# Altium PCB MS-002.21T003台车控制板PCB图 V1.0.PcbDoc (part 2 of 2)
Units mil, origin at the board's own origin, x right, y up, seen from the top; angles counter-clockwise.
Board outline 7863.99 x 3926.98 mil, 2 copper layers (Top Layer, Bottom Layer); 138 components, 110 nets, 449 pads, 595 vias.
Unrouted connection lines stored in the file: 44.
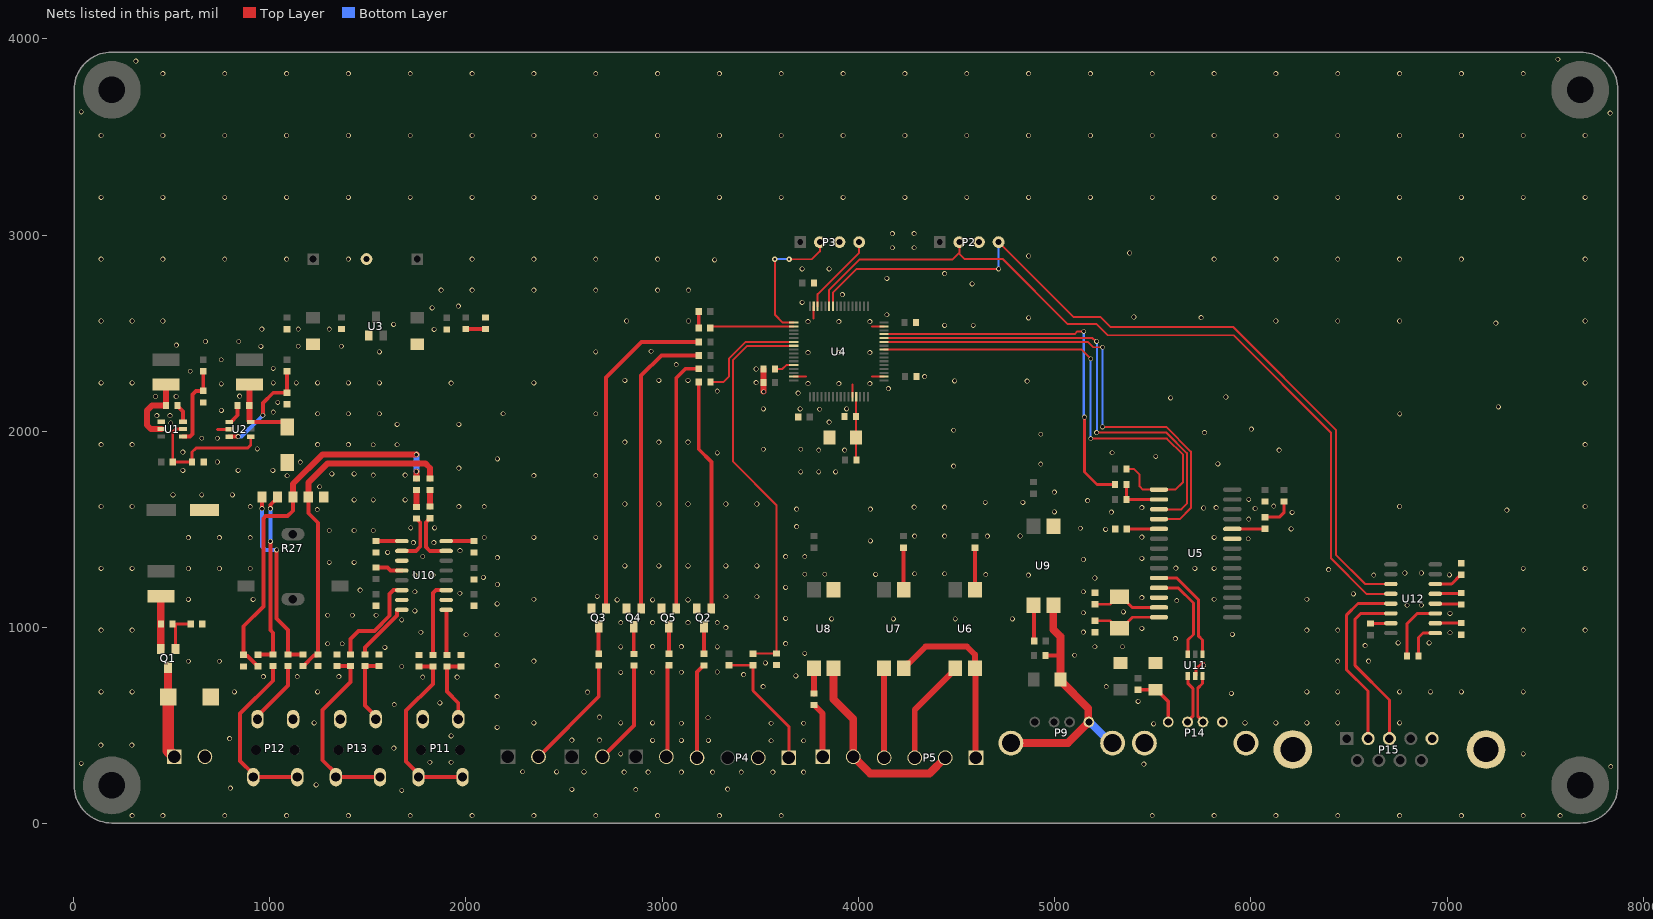
[diagram p2: the nets of this part, all layers, seen from the top]

## Via types
v1: diameter 25, hole 18, Top Layer to Bottom Layer, tented both sides, 591 vias
v2: diameter 39.37/39.37 (per signal layer), hole 0, Top Layer to Bottom Layer, 2 vias
v3: diameter 28, hole 12, Top Layer to Bottom Layer, tented both sides, 2 vias

## Nets (pads, with @x,y where several pads share a name; then routed paths per layer and width w, separated by ;. In a path a pad name is that pad's centre, name@x,y a point inside that pad or via, vN(x,y) a via of type N, cw(c..) or ccw(c..) an arc to the next point about the centre after c; other vN are vias at no path point) (continued)
GND: C2.2 C3.2 C4.1 C6.2 C7.1 C8.1 C9.1 C10.1 C11.1 C12.1 C13.1 C14.2 C15.1 C16.2 C17.2 C18.2 C19.2 C21.1 C24.2 C25.1 C26.2 C27.2 C30.2 C32.1 C33.1 C34.1 C36.1 C37.1 C38.1 C39.1 D1.A D2.A D3.2 P1.2 P2.3 P3.3 P4.2 P11.3 P12.1 P13.3 P14.0 P14.4 P15.5 P15.10 pad.2 Q2.2 Q3.2 Q4.2 Q5.2 R4.1 R5.1 R6.1 R8.1 R11.1 R26.2 R27.1 R32.2 R34.1 R37.1 U1.1 U2.2 U3.1 U4.12 U4.18 U4.31 U4.47 U4.63 U5.12 U5.23 U8.3 U9.3 U10.2 U10.11 U10.15 U11.2 U12.15 | length 681.3
  Top Layer w10: U4.63@3670.21,2278.55 3732.67,2278.55 ; 3772.58,2574.36 U4.47@3772.58,2636.82 ; U4.12@3969.43,2176.19 3969.43,2238.64 ; 4068.38,2278.55 U4.18@4130.84,2278.55 ; 4068.38,2534.45 U4.31@4130.84,2534.45
  Top Layer w15: 735.17,2010.6 U2.2@794.7,2010.6 ; U11.2@5715.64,753.99 5718.97,757.32 5718.97,788.76 5747.41,817.2 v1@5759.33,817.2 ; C34.1@6608.16,1020.53 6609.18,1021.54 6711.52,1021.54 U12.15@6712.53,1022.55
  Top Layer w30: v1(3516.89,2201.7) R11.1@3516.89,2317.68
  other v1: 300.16,42.59 457.64,42.59 772.6,42.59 1087.56,42.59 1402.52,42.59 1717.48,42.59 2032.44,42.59 2347.4,42.59 2662.36,42.59 2977.32,42.59 3292.28,42.59 3607.24,42.59 5497.01,42.59 5811.97,42.59 6126.93,42.59 6441.89,42.59 6756.85,42.59 7071.81,42.59 7386.77,42.59 7574.9,42.59 1674.05,171.26 2866.13,174.7 2540.46,175.91 3334.1,177.83 801.4,182.81 1237.99,199.68 2462.96,265.24 2602.39,265.24 2806.39,264.44 2929.02,264.44 3098.57,264.44 3257.85,264.44 3403.61,264.44 3564.53,264.44 3720.98,264.44 2289.84,266.04 7832.38,292.78 5454.08,304.82 41.64,308.54 1817.15,314.75 1925.28,314.75 2789.55,357.21 7386.77,357.55 1634.35,386.79 141.64,401.81 299.12,401.81 3555.59,424.04 3720.98,424.04 2951.44,425.92 3098.57,425.92 3236.09,425.92 2540.46,427.62 2681.39,427.62 796.74,434.5 1925.44,449.28 2159.48,491.71 5503.52,509.72 3098.57,513.27 3555.59,513.27 3720.98,513.27 2347.4,515.03 2789.55,514.63 2951.44,514.63 5969.45,515.03 6126.93,515.03 6284.41,515.03 6441.89,515.03 6756.85,515.03 1227.47,515.41 3234.12,541.06 2681.39,544.6 1635.84,608.07 1868.75,617.15 5424.99,624.62 2159.48,649.19 5899.98,665.04 2620.18,671.97 142.68,672.51 300.16,672.51 821.39,672.51 1245.04,672.51 6284.41,672.51 6441.89,672.51 6756.85,672.51 6914.33,672.51 7071.81,672.51 7386.77,672.51 3514.41,699.9 5262.9,699.64 1780.91,748.35 1956.11,748.35 969.03,750.94 1141.93,750.94 1353.43,750.57 3681.75,754.55 3415.45,761.06 2789.55,772.09 2951.44,772.95 3098.57,772.95 3281.39,774.3 1674.05,802.37 2159.48,806.67 5759.33,807.76 3526.7,820.25 587.47,828.96 744.95,828.96 2347.4,829.99 6441.89,829.99 6599.37,829.99 5101.14,859.6 3727.01,869.25 1588.43,899.89 2789.55,901.86 3281.39,902.52 5205.22,902.95 5345.4,902.95 2951.44,903.44 3098.57,903.44 6581.44,908.65 1296.44,918.23 1371.15,918.23 3628.93,918.91 6749.05,922.34 6907.29,922.34 5614.79,944.6 2002,964.15 2159.48,964.15 5904.83,965.77 7013.67,974.1 1771.7,976.53 5146.68,977.62 142.68,987.47 300.16,987.47 6284.41,987.47 6441.89,987.47 7386.77,987.47 7701.73,987.47 5444.65,996.82 3325.32,1000.1 2789.55,1025.59 2951.44,1025.59 3132.19,1025.59 3281.39,1025.59 1674.05,1039.88 3863.65,1044.78 4178.61,1044.78 4493.57,1044.78 4784.56,1045.26 3628.93,1047.38 1296.44,1063.18 1423.05,1063.18 1543.1,1063.18 7013.67,1072.55 5146.68,1076.11 5349.83,1080.82 1741.41,1085.89 6794.92,1114.45 6867.55,1114.45 2159.48,1121.64 5621.73,1137.76 2770.83,1142.02 2951.44,1142.02 3132.19,1142.02 587.47,1143.92 916.98,1143.92 2347.4,1144.95 5811.97,1144.95 6284.41,1144.95 5444.65,1153.12 3325.32,1157.58 3482.8,1157.58 2669.73,1159.39 6521.79,1172.55 1970.39,1175.49 1741.41,1183.04 5146.68,1183.27 1461.84,1191.14 3628.93,1204.86 2161.55,1220.04 5205.22,1253.12 2089.52,1255.79 1741.41,1267.78 1832.56,1267.78 4866.01,1268.09 6625.44,1267.67 7010.69,1269.33 4087.67,1271.03 4649,1270.82 3727.01,1272.12 3828.89,1272.12 4286.63,1274.54 4438.85,1274.54 6783.74,1278.61 6867.55,1278.61 6395.78,1296.26 587.47,1301.41 744.95,1301.41 902.43,1301.41 142.68,1302.43 300.16,1302.43 5617.34,1303.12 5713.89,1302.43 5811.97,1302.43 7386.77,1302.43 7701.73,1302.43 2810.46,1315.06 2983.75,1315.06 3132.19,1315.06 3325.32,1315.06 3482.8,1315.06 1304.97,1332.77 1431.19,1332.77 5146.68,1347.28 5444.65,1353.12 2161.55,1356.73 3628.93,1362.34 3727.01,1362.34 1781.03,1362.53 1601.63,1383.13 1970.7,1392.48 1732.99,1433.04 1837.54,1433.04 4060.96,1441.81 5985.81,1453.12 587.47,1458.89 744.95,1458.89 902.43,1458.89 2094.11,1459.44 2347.4,1459.91 2662.36,1459.91 5811.97,1459.91 5444.65,1461.29 4286.63,1466.37 4438.85,1466.37 4657.55,1466.37 4824.3,1467.07 1304.97,1495.03 1431.19,1495.03 1529.02,1495.03 5259.37,1500.9 6204.3,1503.55 5130.73,1506.44 1719.89,1508.01 1841.01,1508.01 3685.51,1514.53 5988.79,1553.12 5289.2,1588.37 6209.56,1587.66 4998.48,1589.41 7303.64,1599.01 1243.44,1601.36 3685.51,1603.99 4060.96,1603.99 6021.03,1607.11 5758.66,1609.66 5444.65,1611.29 5822.1,1611.29 4284.23,1613.77 4438.85,1613.77 902.43,1616.37 1964.93,1616.92 2094.11,1616.92 142.68,1617.39 300.16,1617.39 6756.85,1617.39 7701.73,1617.39 6115.92,1618.9 2810.46,1630.02 2983.75,1630.02 3132.19,1630.02 3325.32,1630.02 3482.8,1630.02 4646.49,1638.4 4837.61,1638.4 5167.31,1647.77 1431.19,1651.28 1529.02,1651.28 1691.15,1651.28 5988.79,1653.12 508.89,1676.5 655.18,1676.5 811.78,1676.5 4998.48,1690.9 1255.92,1717.97 1090.05,1773.74 2347.4,1774.87 2662.36,1774.87 1529.02,1777.52 1691.15,1777.52 1317.92,1783.56 1431.19,1783.56 3706.38,1793.56 3797.98,1793.56 3884.32,1793.56 840.75,1800.96 1017.39,1800.96 559.55,1801.73 1964.93,1812.97 4485.43,1823.09 4929.23,1833.36 5831.45,1834.29 1156.83,1843 735.17,1844.06 2160.85,1859.78 5514.81,1872.4 3281.39,1890.55 5292.91,1890.89 559.55,1894.34 3797.98,1904.38 3929.69,1904.38 6142.95,1904.53 3516.15,1909.06 3706.38,1909.06 937.86,1911.12 142.68,1932.36 300.16,1932.36 1245.04,1932.36 1402.52,1932.36 1529.02,1931.88 1649.97,1931.88 7701.73,1932.36 2810.46,1944.98 2983.75,1944.98 3132.19,1944.98 655.18,1964.78 735.17,1964.78 4929.23,1985.41 5763.24,1993.24 4485.43,2005.53 6001.98,2011.64 1649.97,2035.58 1964.93,2035.58 497.17,2042.69 3851.32,2047.2 426.32,2080.09 493.61,2080.26 6757.83,2089.05 1245.04,2089.84 1402.52,2089.84 1560,2089.84 2189.92,2089.84 2662.36,2089.84 1019.52,2098.1 755.01,2106.45 3802.48,2112.63 3516.62,2114.67 3703.5,2114.67 3939.69,2115 7259.82,2124.91 1042.42,2147.8 5590.44,2170.56 5872.37,2175.11 419.62,2177.7 524.95,2177.7 848.56,2179.16 3693.5,2194.49 3281.39,2205.51 4152.53,2217.47 754.63,2242.27 3743.46,2243.76 3900.94,2243.76 4058.42,2243.76 1925.51,2245.48 142.68,2247.32 300.16,2247.32 1019.52,2247.32 1136.48,2247.32 1245.04,2247.32 1402.52,2247.32 1560,2247.32 2347.4,2247.31 7701.73,2247.32 3479.12,2248.86 4859.93,2255.91 4490.66,2257.41 2810.46,2259.94 2983.75,2259.94 3132.19,2259.94 4337.56,2278.55 596.51,2306.19 3479.12,2317.68 1019.52,2320.54 3072.44,2340.39 754.63,2364.8 3743.46,2401.24 3900.94,2401.24 4058.42,2401.24 1560,2404.8 2662.36,2404.8 2944.55,2408.05 956.7,2433.24 1146.93,2433.45 1366.72,2433.45 526.01,2439.34 673.72,2457.78 843.75,2457.78 1839.35,2519.56 961.32,2520.47 1146.93,2520.47 1304.81,2520.47 4439.62,2540.01 4585.23,2540.01 1632.8,2544.84 7247.87,2551.2 3743.46,2558.72 3900.94,2558.72 4058.42,2558.72 142.68,2562.28 300.16,2562.28 457.64,2562.28 2819.84,2562.28 3134.8,2562.28 6126.93,2562.28 6441.89,2562.28 6756.85,2562.28 7701.73,2562.28 4867.55,2578.35 5746.35,2579.09 5403.73,2582.55 4145.22,2594.16 1828.86,2629.28 1962.34,2637.61 3713.83,2656.75 3918.42,2696.85 1874.96,2719.76 2032.44,2719.76 2347.4,2719.76 2662.36,2719.76 2977.32,2719.76 3134.8,2719.76 4579.22,2751.28 4145.22,2779.75 4439.62,2803.82 3713.83,2827.6 3851.32,2827.6 3268.13,2873.74 142.68,2877.24 457.64,2877.24 772.6,2877.24 1087.56,2877.24 1402.52,2877.24 2032.44,2877.24 2347.4,2877.24 2662.36,2877.24 2977.32,2877.24 5811.97,2877.24 6126.93,2877.24 6441.89,2877.24 6756.85,2877.24 7071.81,2877.24 7701.73,2877.24 4867.55,2893.31 5381.81,2908.64 4173.12,2935.17 4284,2935.17 4173.12,3007.75 4284,3007.75 142.68,3192.2 457.64,3192.2 772.6,3192.2 1087.56,3192.2 1402.52,3192.2 1717.48,3192.2 2032.44,3192.2 2347.4,3192.2 2662.36,3192.2 2977.32,3192.2 3292.28,3192.2 3607.24,3192.2 3922.2,3192.2 4237.16,3192.2 4552.12,3192.2 4867.09,3192.2 5182.05,3192.2 5497.01,3192.2 5811.97,3192.2 6126.93,3192.2 6441.89,3192.2 6756.85,3192.2 7071.81,3192.2 7386.77,3192.2 7701.73,3192.2 142.68,3507.16 457.64,3507.16 772.6,3507.16 1087.56,3507.16 1402.52,3507.16 1717.48,3507.16 2032.44,3507.16 2347.4,3507.16 2662.36,3507.16 2977.32,3507.16 3292.28,3507.16 3607.24,3507.16 3922.2,3507.16 4237.16,3507.16 4552.12,3507.16 4867.09,3507.16 5182.05,3507.16 5497.01,3507.16 5811.97,3507.16 6126.93,3507.16 6441.89,3507.16 6756.85,3507.16 7071.81,3507.16 7386.77,3507.16 7701.73,3507.16 7829.27,3621.37 41.64,3627.29 457.64,3822.12 772.6,3822.12 1087.56,3822.12 1402.52,3822.12 1717.48,3822.12 2032.44,3822.12 2347.4,3822.12 2662.36,3822.12 2977.32,3822.12 3292.28,3822.12 3607.24,3822.12 3922.2,3822.12 4237.16,3822.12 4552.12,3822.12 4867.09,3822.12 5182.05,3822.12 5497.01,3822.12 5811.97,3822.12 6126.93,3822.12 6441.89,3822.12 6756.85,3822.12 7071.81,3822.12 7386.77,3822.12 319.84,3885.65 7563.46,3895.37
GND_USB: C22.2 C23.1 P9.0 P9.4 U9.2 | length 1353.7
  Top Layer w20: C23.1@4953.45,857.61 5029.38,857.61
  Top Layer w40: P9.0@4777.41,412.53 5067.21,412.53 P9.4@5174.21,519.53 ; U9.2@4993.05,1114.86 4993.05,990.57 5029.38,954.24 5029.38,857.61 C22.2@5029.38,735.91 5029.38,730.48 5171.32,588.54 P9.4@5171.32,526.51 ; P9.0@5285.3,412.53 P9.0@5294.81,412.53
  Bottom Layer w40: P9.4@5174.21,519.53 5178.3,519.53 5285.3,412.53 P9.0@5294.81,412.53
INT: R42.2 U4.25 U5.1 | length 2504.1
  Top Layer w10: U4.25@4130.84,2416.34 5137.24,2416.34 v1(5183.58,2370) ; v1(5183.58,1963.24) 5571.4,1963.24 5653.89,1880.75 5653.89,1742.12 5614.88,1703.12 U5.1@5531.29,1703.12 5449.31,1703.12 5432.99,1719.44 5432.99,1778.28 5402.31,1808.96 R42.2@5366.01,1808.96
  Bottom Layer w10: v1(5183.58,1963.24) v1(5183.58,2370)
KEY-UR_PWR: C19.1 R15.1 U4.55 | length 2045.6
  Top Layer w10: 3434.64,2435.71 3360.22,2361.29 3360.22,1847.45 3582.78,1624.88 C19.1@3582.78,869.25 3464.46,869.25 R15.1@3462.89,867.68 ; 3434.64,2436.03 U4.55@3670.21,2436.03
LED-UR_PWR: R38.1 U4.54 | length 562
  Top Layer w10: R38.1@3246.1,2251.33 3312.22,2251.33 3341.33,2280.44 3341.33,2371.31 3425.73,2455.71 U4.54@3670.21,2455.71
NetC1_1: C1.1 U1.6 | length 93.3
  Top Layer w20: C1.1@531.99,2131.12 531.99,2129.15 559.55,2101.59 U1.6@559.55,2049.26
NetC1_2: C1.2 L2.1 U1.2 | length 370.9
  Top Layer w30: U1.2@449.31,2011.86 396,2011.86 375.72,2032.14 375.72,2105.54 401.29,2131.12 C1.2@472.99,2131.12 L2.1@472.99,2238.81
NetC5_1: C5.1 U2.1 | length 106.5
  Top Layer w20: U2.1@794.7,2048.01 803.56,2048.01 837.85,2082.3 C5.1@837.85,2131.4
NetC5_2: C5.2 D2.K L3.1 U2.6 | length 383
  Top Layer w20: U2.6@904.93,2048.01 1065.6,2048.01 1090.05,2023.56 D2.K@1090.05,2021.29
  Top Layer w30: U2.6@899.14,2053.29 L3.1@899.14,2238.81
NetC14_1: C14.1 C15.2 R10.2 U4.13 | length 322.6
  Top Layer w10: U4.13@3989.11,2176.19 3989.11,1855.92 R10.2@3990.75,1854.28
NetC18_1: C18.1 P14.1 R44.1 | length 283
  Top Layer w20: R44.1@5424.99,683.67 5519.33,683.67 5578.39,624.62 P14.1@5578.39,519.53
NetC20_2: C20.2 R43.2 U5.2 | length 240.8
  Top Layer w15: R43.2@5366.01,1728.93 5366.29,1728.65 5366.29,1653.39 C20.2@5366.57,1653.12 U5.2@5531.29,1653.12
NetC21_2: C21.2 U5.14 Y1.2 | length 365.4
  Top Layer w15: C21.2@5205.22,1035.36 5281.78,1035.36 5320.32,996.82 Y1.2@5330.16,996.82 5340,996.82 5396.3,1053.12 U5.14@5531.29,1053.12
NetC27_1: C27.1 U10.8 | length 142.9
  Top Layer w20: U10.8@1900.8,1440.96 U10.8@1900.62,1441.14 1900.8,1441.31 2043,1441.31 C27.1@2043.17,1441.48
NetC28_1: C28.1 R27.2 R34.2 R35.1 | length 1719.8
  Top Layer w20: R35.1@1170.84,804.69 1172.81,804.69 1225.74,857.62 1241.09,857.62 R34.2@1246.84,863.37 1246.84,1534.55 1198.33,1583.06 R27.2@1198.33,1665.41
  Top Layer w30: R27.2@1198.33,1665.41 1198.33,1738.63 1296.81,1837.12 1794.17,1837.12 1818.31,1812.97 C28.1@1818.31,1759.65
NetC28_2: C28.2 R29.1 | length 83.8
  Top Layer w30: R29.1@1818.31,1616.89 C28.2@1818.31,1700.65
NetC29_1: C29.1 R27.4 R36.1 R37.2 | length 1952.6
  Top Layer w20: R36.1@942.85,803.16 940.88,803.16 888.1,855.94 872.6,855.94 R37.2@866.86,861.69 866.86,1006.25 969.29,1108.68 969.29,1556.69 981.01,1568.4 1092.16,1568.4 1119.59,1595.84 R27.4@1119.59,1665.41
  Top Layer w30: R27.4@1119.59,1665.41 1119.59,1731.5 1269.53,1881.45 v1(1748.38,1881.48) ; C29.1@1748.38,1759.65 v1(1748.38,1795.55)
  Bottom Layer w30: v1(1748.38,1795.55) v1(1748.38,1881.48)
NetC29_2: C29.2 R30.1 | length 85.1
  Top Layer w30: R30.1@1748.38,1615.53 C29.2@1748.38,1700.65
NetC30_1: C30.1 U5.13 Y1.1 | length 365
  Top Layer w15: C30.1@5205.22,1119.27 5281.34,1119.27 5320.32,1158.24 Y1.1@5330.16,1158.24 5340,1158.24 5395.12,1103.12 U5.13@5531.29,1103.12
NetC31_1: C31.1 U12.1 | length 188.7
  Top Layer w15: C31.1@6853.92,855.56 6853.92,950.21 6876.26,972.55 U12.1@6938.71,972.55
NetC31_2: C31.2 U12.3 | length 330.3
  Top Layer w15: C31.2@6794.92,855.56 6794.92,1020.53 6846.95,1072.55 U12.3@6938.71,1072.55
NetC32_2: C32.2 U12.6 | length 151.6
  Top Layer w15: U12.6@6938.71,1222.55 7022.18,1222.55 7068.97,1269.33 C32.2@7070.93,1269.33
NetC33_2: C33.2 U12.2 | length 132.4
  Top Layer w15: U12.2@6938.71,1022.55 6938.99,1022.83 7070.66,1022.83 C33.2@7070.93,1023.1
NetC35_1: C35.1 U12.4 | length 134.1
  Top Layer w15: U12.4@6938.71,1122.55 6940.06,1121.2 7067.71,1121.2 C35.1@7070.93,1117.98
NetC35_2: C35.2 U12.5 | length 134.1
  Top Layer w15: U12.5@6938.71,1172.55 6940.06,1173.9 7067.85,1173.9 C35.2@7070.93,1176.98
NetC36_2: C36.2 L4.2 P11.1 | length 369.6
  Top Layer w20: P11.1@1962.01,534.22 1962.01,617.15 1905.05,674.11 L4.2@1905.05,802.08 C36.2@1974.29,802.08 ; C36.2@1968.54,796.34 C36.2@1974.29,802.08 ; C36.2@1975.07,802.08 C36.2@1974.29,802.08
NetC37_2: C37.2 L5.2 P11.2 | length 941.5
  Top Layer w20: C37.2@1761.7,802.37 1761.84,802.23 1832.41,802.23 L5.2@1832.56,802.08 1832.56,714.05 1695.74,577.24 1695.74,318.21 1759.26,254.7 P11.2@1759.26,238.95 P11.2@1983.66,238.95
NetC38_2: C38.2 L6.2 P13.1 | length 363
  Top Layer w20: P13.1@1541.27,534.22 1541.27,549.97 1487.65,603.59 L6.2@1487.65,804.43 1487.74,804.52 1558.08,804.52 C38.2@1558.17,804.61
NetC39_2: C39.2 L7.2 P13.2 | length 947.3
  Top Layer w20: C39.2@1343.43,804.43 1343.48,804.48 1413.85,804.48 1413.85,722.84 1271.32,580.3 1271.32,324.7 1338.52,257.49 P13.2@1338.52,238.95 P13.2@1562.92,238.95
NetD1_K: D1.K P1.1 Q1.3 | length 469.7
  Top Layer w40: Q1.3@483.64,798.69 483.95,798.37 483.95,647.05 D1.K@484.93,646.07
  Top Layer w60: D1.K@484.93,646.07 484.93,372.91 P1.1@515.61,342.23
NetD3_1: D3.1 R9.1 | length 101.1
  Top Layer w20: R9.1@2000.06,2520.8 2000.49,2521.22 2100.36,2521.22 D3.1@2100.79,2521.65
NetD4_1: D4.1 R12.1 | length 84.7
  Top Layer w20: D4.1@3186.98,2526.3 R12.1@3186.98,2610.96
NetD4_2: D4.2 U4.50 | length 427.6
  Top Layer w10: D4.2@3245.98,2526.3 3254.13,2534.45 U4.50@3670.21,2534.45
NetD5_1: D5.1 R33.1 | length 162.2
  Top Layer w15: D5.1@6072.3,1562.99 6144.44,1562.99 6169.11,1587.66 R33.1@6169.11,1642.85
NetD5_2: D5.2 U5.24 | length 167.8
  Top Layer w15: U5.24@5904.83,1503.12 5905.27,1503.55 6071.86,1503.55 D5.2@6072.3,1503.99
NetL1_1: L1.1 Q1.2 R1.2 | length 271
  Top Layer w40: Q1.2@446.64,890.5 446.64,1159.02 L1.1@448.41,1160.79
NetL4_1: L4.1 U10.1 | length 232.6
  Top Layer w20: U10.1@1900.62,1091.14 1901.89,1091.14 1902.84,1090.19 1902.84,863.3 L4.1@1905.05,861.08
NetL5_1: L5.1 U10.3 | length 389.4
  Top Layer w20: L5.1@1832.56,861.08 1832.56,1176.22 1847.47,1191.14 U10.3@1900.62,1191.14
NetL6_1: L6.1 U10.16 | length 318.4
  Top Layer w20: L6.1@1487.65,863.43 1487.65,899.89 1650.72,1062.97 1650.72,1090.19 1651.67,1091.14 U10.16@1674.44,1091.14
NetL7_1: L7.1 U10.14 | length 507.4
  Top Layer w20: L7.1@1413.9,863.53 1413.9,943.33 1453.79,983.21 1534.2,983.21 1611.64,1060.65 1611.64,1170.64 1632.14,1191.14 U10.14@1674.44,1191.14
NetP4_1: P4.1 R14.1 R15.2 | length 669.6
  Top Layer w15: R14.1@3340.56,808.66 R15.2@3462.89,808.68 ; R15.2@3462.89,808.68 3462.89,679.26 3645.91,496.24 P4.1@3645.91,337.23
NetP4_4: P4.4 R16.2 | length 486.4
  Top Layer w20: P4.4@3178.2,337.23 3178.2,774.3 3211.66,807.77 R16.2@3213.63,807.77
NetP5_3: P5.3 U6.3 | length 536
  Top Layer w30: P5.3@4286.97,342.23 4286.97,582.09 4493.57,788.68 U6.3@4493.57,792.62
NetP5_4: P5.4 U7.3 | length 450.4
  Top Layer w30: P5.4@4131.07,342.23 4131.13,342.29 4131.13,792.55 U7.3@4131.2,792.62
NetP6_1: P6.1 R19.2 | length 283.4
  Top Layer w30: R19.2@3773.46,605.96 3775.43,605.96 3818.07,563.32 P6.1@3818.07,342.23
NetP7_2: P7.2 R20.1 | length 592.7
  Top Layer w20: P7.2@2370.71,342.23 2677.54,649.06 R20.1@2677.54,807.83
NetP8_2: P8.2 R21.2 | length 531.1
  Top Layer w20: P8.2@2696.37,342.23 2856.24,502.1 R21.2@2856.24,807.11
NetP10_2: P10.2 R24.2 | length 472.2
  Top Layer w20: P10.2@3022.03,342.23 3028.48,348.68 3028.48,802.94 3034.23,808.69 R24.2@3034.94,808.69
NetP12_2: P12.2 R31.2 | length 887.1
  Top Layer w20: R31.2@1018.85,804.53 1018.85,729.77 851.12,562.05 851.12,321.36 917.79,254.7 P12.2@917.79,238.95 P12.2@1142.19,238.95
NetP12_3: P12.3 R28.2 | length 334.7
  Top Layer w20: P12.3@939.44,534.22 939.44,549.97 1094.84,705.37 R28.2@1094.84,804.53
NetP15_2: P15.2 U12.13 | length 924.9
  Top Layer w15: P15.2@6596.56,435.32 6596.56,676.81 6485.78,787.59 6485.78,1062.83 6545.5,1122.55 U12.13@6712.53,1122.55
NetP15_3: P15.3 U12.14 | length 875.2
  Top Layer w15: P15.3@6705.22,435.32 6705.22,631.53 6530.5,806.25 6530.5,1044.45 6558.6,1072.55 U12.14@6712.53,1072.55
NetQ1_1: Q1.1 R1.1 R4.2 | length 204.6
  Top Layer w15: Q1.1@521.64,890.5 521.64,1016.96 523.34,1018.67 R4.2@599.05,1018.67
NetQ2_1: Q2.1 R38.2 | length 1181.2
  Top Layer w20: R38.2@3187.1,2251.33 3187.1,1908.98 3251.13,1844.94 Q2.1@3251.13,1096.63
NetQ2_3: Q2.3 R16.1 | length 138.3
  Top Layer w20: Q2.3@3213.13,1004.82 3213.38,1004.57 3213.38,867.02 R16.1@3213.63,866.77
NetQ3_1: Q3.1 R39.2 | length 1725.7
  Top Layer w10: R39.2@3187.1,2452.34 R39.2@3187.1,2454.31
  Top Layer w20: Q3.1@2715.04,1096.63 2715.04,2273.39 2895.96,2454.31 R39.2@3187.1,2454.31
NetQ3_3: Q3.3 R20.2 | length 138.2
  Top Layer w20: Q3.3@2677.04,1004.82 2677.29,1004.57 2677.29,867.08 R20.2@2677.54,866.83
NetQ4_1: Q4.1 R40.2 | length 1526
  Top Layer w10: R40.2@3187.1,2384.68 R40.2@3187.1,2386.65
  Top Layer w20: Q4.1@2893.74,1096.63 2893.74,2283.93 2996.46,2386.65 3185.13,2386.65 R40.2@3187.1,2384.68
NetQ4_3: Q4.3 R21.1 | length 138.9
  Top Layer w20: Q4.3@2855.74,1004.82 2855.99,1004.57 2855.99,866.36 R21.1@2856.24,866.11
NetQ5_1: Q5.1 R41.2 | length 1311.3
  Top Layer w10: R41.2@3187.1,2317.02 R41.2@3187.1,2318.99
  Top Layer w20: Q5.1@3072.44,1096.63 3072.44,2271.77 3119.66,2318.99 R41.2@3187.1,2318.99
NetQ5_3: Q5.3 R24.1 | length 137.3
  Top Layer w20: Q5.3@3034.44,1004.82 3034.69,1004.57 3034.69,867.94 R24.1@3034.94,867.69
NetR2_1: R2.1 R5.2 U1.5 U2.4 | length 716.2
  Top Layer w15: U1.5@559.55,2011.86 522.53,2011.86 507.58,1996.9 R2.1@507.58,1844.06 R5.2@606.18,1844.06 606.18,1894.34 626.17,1914.33 888.53,1914.33 904.93,1930.73 U2.4@904.93,1973.2
NetR3_1: R3.1 R6.2 U1.4 | length 417.4
  Top Layer w20: U1.4@559.55,1974.46 596.15,1974.46 607.87,1986.17 607.87,2187.92 626.46,2206.52 R6.2@663.01,2206.52 R3.1@663.01,2306.19
NetR7_1: R7.1 R8.2 U2.3 | length 533.4
  Top Layer w20: U2.3@794.7,1973.2 794.84,1973.35 840.75,1973.35 v1(840.89,1973.49) ; v1(966.55,2082.3) 966.55,2143.83 1019.52,2196.8 R8.2@1090.05,2196.8 R7.1@1090.05,2306.19
  Bottom Layer w20: v1(840.89,1973.49) 857.75,1973.49 v1(966.55,2082.3)
NetR11_2: R11.2 U4.60 | length 102.6
  Top Layer w10: R11.2@3575.89,2317.68 3613.11,2317.68 3633.04,2337.6 U4.60@3670.21,2337.6
NetR13_1: R13.1 U6.1 | length 213.2
  Top Layer w20: U6.1@4593.57,1194.19 R13.1@4593.57,1407.37
NetR17_1: R17.1 U7.1 | length 213.5
  Top Layer w20: R17.1@4230.51,1407.37 4230.51,1194.88 U7.1@4231.2,1194.19
NetR19_1: R19.1 U8.1 | length 127.7
  Top Layer w30: R19.1@3773.46,664.96 U8.1@3773.46,792.61
NetR22_2: R22.2 U9.1 | length 179.2
  Top Layer w20: R22.2@4895.52,933.22 U9.1@4895.52,1112.4
NetR25_1: R25.1 U10.12 | length 137.7
  Top Layer w20: R25.1@1543.1,1306.56 1601.63,1306.56 1617.06,1291.14 U10.12@1674.44,1291.14
NetR26_1: R26.1 U10.9 | length 133.7
  Top Layer w20: R26.1@1541.56,1439.2 1543.1,1440.74 1674.05,1440.74 U10.9@1674.44,1441.14
NetR27_3: R27.3 R28.1 R35.2 | length 965.9
  Top Layer w20: v1(962.11,1606.7) R27.3@962.11,1665.41 ; v1(1036.44,1396.55) 1036.44,1046.67 1094.84,988.27 R28.1@1094.84,863.53 1094.93,863.61 1170.76,863.61 R35.2@1170.84,863.69
  Bottom Layer w20: v1(962.11,1606.7) 962.11,1414.61 980.16,1396.55 v1(1036.44,1396.55)
NetR27_5: R27.5 R31.1 R36.2 | length 911.3
  Top Layer w20: R36.2@942.85,862.16 943.54,862.85 1018.16,862.85 R31.1@1018.85,863.53 1016.88,863.53 1011.13,869.28 1018.85,869.28 1018.85,974.2 1004.78,988.27 v1(1004.78,1439.76) ; v1(1004.78,1606.7) 1005.73,1607.65 1005.73,1626.36 1040.85,1661.47 R27.5@1040.85,1665.41
  Bottom Layer w20: v1(1004.78,1439.76) v1(1004.78,1606.7)
NetR29_2: R29.2 U10.7 | length 268.8
  Top Layer w20: R29.2@1818.31,1557.89 1816.35,1557.89 1810.6,1552.14 1810.6,1550.17 1796.92,1536.49 1796.92,1411.05 1816.83,1391.14 U10.7@1900.62,1391.14
NetR30_2: R30.2 U10.10 | length 255
  Top Layer w20: U10.10@1674.44,1391.14 1674.83,1391.53 1745.62,1391.53 1768.15,1414.06 1768.15,1536.75 1756.09,1548.81 1756.09,1550.78 1750.35,1556.53 R30.2@1748.38,1556.53
NetR32_1: R32.1 U5.5 | length 164
  Top Layer w15: R32.1@5367.26,1503.12 U5.5@5531.29,1503.12
RD: U4.27 U5.4 | length 2505.8
  Top Layer w10: U4.27@4130.84,2455.71 5168.88,2455.71 5196.01,2428.58 v1(5243.89,2428.58) ; v1(5243.58,2023.24) 5567.96,2023.24 5693.89,1897.32 5693.89,1609.66 5637.34,1553.12 U5.4@5531.29,1553.12
  Bottom Layer w10: v1(5243.58,2023.24) v1@5243.58,2428.58
RST375: R43.1 U4.29 | length 1922.4
  Top Layer w10: U4.29@4130.84,2495.08 5102.07,2495.08 5116.11,2509.12 v1(5148.17,2509.12)
  Top Layer w15: v1(5151.94,2073.01) 5151.94,1793.09 5216.1,1728.93 R43.1@5307.01,1728.93
  Bottom Layer w15: v1(5148.17,2509.12) 5148.17,2076.79 v1(5151.94,2073.01)
SWCLK: P3.2 U4.49 | length 687.6
  Top Layer w10: v3(3574.74,2877.29) 3574.74,2595.29 3615.89,2554.14 U4.49@3670.21,2554.14 ; v3(3646.99,2876.73) 3763.33,2876.73 3804.03,2917.42 P3.2@3804.03,2964.08
  Bottom Layer w10: v3(3574.74,2877.29) 3646.43,2877.29 v3(3646.99,2876.73)
SWDIO: P3.4 U4.46 | length 415
  Top Layer w10: U4.46@3792.26,2636.82 3792.26,2698.72 4004.03,2910.49 P3.4@4004.03,2964.08
UD-USB_N: U5.11 U11.6 | length 480.4
  Top Layer w15: U5.11@5531.29,1203.12 5628.83,1203.12 5706.6,1125.35 5706.6,965.77 5678.24,937.42 U11.6@5678.24,864.23
UD-USB_P: U5.10 U11.4 | length 533.7
  Top Layer w15: U5.10@5531.29,1253.12 5621.73,1253.12 5731.6,1143.25 5731.6,958.87 5753.04,937.42 U11.4@5753.04,864.23
UR_12V: P5.1 U6.4 U7.4 | length 950.9
  Top Layer w30: U7.4@4231.2,792.62 4231.2,796.55 4251.63,816.99 4255.57,816.99 4342.2,903.62 4553.69,903.62 4593.57,863.74 U6.4@4593.57,792.62 4596.18,790.01 4596.18,344.84 P5.1@4598.78,342.23
UR_GND: P5.2 P6.2 U8.2 | length 1029.5
  Top Layer w40: U8.2@3873.46,792.62 3873.46,635.46 3973.97,534.95 P6.2@3973.97,342.23 3974.92,342.23 4060.14,257 4362.65,257 P5.2@4442.88,337.23
USART1_RX: P2.2 U4.43 U12.12 | length 4176.2
  Top Layer w10: U4.43@3851.32,2636.82 3851.32,2721.14 4006.77,2876.59 4479.93,2876.59 4511.75,2908.41 4514.28,2910.95 ; P2.2@4514.28,2964.08 4514.28,2910.95 ; U12.12@6712.53,1172.55 6588.19,1172.55 6407.58,1353.16 6407.58,1993.9 5911.85,2489.63 5269.88,2489.63 5213.89,2545.62 5213.89,2546.61 5067.37,2546.61 4736.67,2877.31 4542.85,2877.31 4514.28,2905.88 4514.28,2910.95
USART1_TX: P2.4 U4.42 U12.11 | length 4192.7
  Top Layer w10: U4.42@3871,2636.82 3871,2707.89 3991.25,2828.14 v1(4714.28,2828.14) ; P2.4@4714.28,2964.08 5067.37,2610.99 5095.24,2583.12 5232.37,2583.12 5283.49,2532.01 5908.42,2532.01 6432.31,2008.12 6432.31,1371.46 6581.22,1222.55 U12.11@6712.53,1222.55
  Bottom Layer w10: v1(4714.28,2828.14) P2.4@4714.28,2964.08
USB_N: P14.2 U11.1 | length 256.1
  Top Layer w15: P14.2@5676.79,519.53 5676.79,521.48 5703.69,548.38 5703.69,691.13 5678.24,716.58 U11.1@5678.24,753.99
USB_P: P14.3 U11.3 | length 255.7
  Top Layer w15: U11.3@5753.04,753.99 5753.04,715.49 5728.69,691.13 5728.69,548.38 5755.59,521.48 P14.3@5755.59,519.53
WR: U4.28 U5.3 | length 2471.3
  Top Layer w10: U4.28@4130.84,2475.4 4685.19,2475.4 ; 4685.19,2475.71 5191.89,2475.71 5205.57,2462.03 5210.44,2462.03 v1(5213.89,2458.58) ; v1(5213.58,1993.24) 5569.68,1993.24 5673.89,1889.03 5673.89,1631.6 5645.4,1603.12 U5.3@5531.29,1603.12
  Bottom Layer w10: v1(5213.58,1993.24) 5214.58,1994.24 5214.58,2458.21 v1@5214.95,2458.58
pads on no net: H1.1 H2.1 H3.1 H4.1 P9.2 P9.3 P11. P12. P13. P15.1 P15.4 P15.6 P15.7 P15.8 P15.9 R27.6 R27.7 U4.2 U4.3 U4.4 U4.5 U4.6 U4.7 U4.8 U4.9 U4.10 U4.11 U4.30 U4.33 U4.34 U4.35 U4.36 U4.37 U4.38 U4.39 U4.40 U4.41 U4.44 U4.45 U4.61 U4.62 U5.6 U5.7 U5.25 U5.26 U12.7 U12.8 U12.9 U12.10
copper on no net:
  other v2: 7678.79,578.62 614.41,3738.05

## Polygon pours and split planes (outlines as drawn)
GND on Bottom Layer "B_GND" (solid, remove dead copper, pour order 1): 5.02,196.85 5.02,196.92 5.02,3740.1 ccw(c0,3740.16) 5.02,3740.16 cw(c196.85,3740.16) 196.77,3931.99 ccw(c196.85,3937.01) 196.85,3931.99 7677.17,3931.99 cw(c7677.17,3740.16) 7869,3740.16 ccw(c7874.02,3740.16) 7869,3740.13 7869,3740.11 cw(c7874.02,3740.16) 7869,3740.13 7869,196.85 ccw(c7874.02,196.85) 7869,196.79 ccw(c7874.02,196.85) 7869,196.78 7869,196.79 ccw(c7677.17,196.85) 7869,196.85 7869,3740.11 7869,196.79 cw(c7677.17,196.85) 7677.17,5.02 ccw(c7677.17,0) 7677.08,5.01 196.85,5.01 196.85,5.02 cw(c196.85,0) 196.93,5.01 196.85,5.02 cw(c196.85,196.85)
GND on Top Layer "T_GND" (solid, remove dead copper, pour order 0): 5.02,196.85 5.02,196.92 5.02,3740.1 ccw(c0,3740.16) 5.02,3740.16 cw(c196.85,3740.16) 196.77,3931.99 ccw(c196.85,3937.01) 196.85,3931.99 7677.17,3931.99 cw(c7677.17,3740.16) 7869,3740.16 ccw(c7874.02,3740.16) 7869,3740.13 7869,3740.11 cw(c7874.02,3740.16) 7869,3740.13 7869,196.85 ccw(c7874.02,196.85) 7869,196.79 ccw(c7874.02,196.85) 7869,196.78 7869,196.79 ccw(c7677.17,196.85) 7869,196.85 7869,3740.11 7869,196.79 cw(c7677.17,196.85) 7677.17,5.02 ccw(c7677.17,0) 7677.08,5.01 196.85,5.01 196.85,5.02 cw(c196.85,0) 196.93,5.01 196.85,5.02 cw(c196.85,196.85)

## Keep-outs
Keep-Out Layer:
  lines w10: 7677.17,3937.01 cw(c7677.17,3740.16) 7874.02,3740.16 ; 7686.96,3937.01 196.85,3937.01 ccw(c196.85,3740.16) 0,3740.16 0,196.85 ccw(c196.85,196.85) 196.85,0 7677.17,0 ccw(c7677.17,196.85) 7874.02,196.85 7874.02,3746.14

## Other copper
Top Layer:
  pour cut-out: 4680.64,5.33 4680.64,903.62 4588.55,995.72 4782.62,995.72 4832.16,1045.26 4832.16,1180.98 4867.93,1216.74 5041.64,1216.74 5078.21,1180.18 5078.21,854.56 5388.05,544.72 5388.05,3.61
  pour cut-out: 3737.93,3.42 3737.93,905.6 3828.05,995.72 4588.55,995.72 4680.64,903.62 4680.64,5.33
  pour cut-out: 571.29,3846.98
Bottom Layer:
  pour cut-out: 4680.64,5.33 4680.64,903.62 4588.55,995.72 4782.62,995.72 4832.16,1045.26 4832.16,1180.98 4867.93,1216.74 5041.64,1216.74 5078.21,1180.18 5078.21,854.56 5388.05,544.72 5388.05,3.61
  pour cut-out: 3737.93,3.42 3737.93,905.6 3828.05,995.72 4588.55,995.72 4680.64,903.62 4680.64,5.33

## Silkscreen, mask and mechanical layers (free items; w line width, h text height)
Top Overlay:
  circle w3.94: c614.41,3738.05 r118.3
  pour cut-out: 496.11,3738.05 ccw(c614.41,3738.05) 614.41,3619.75 ccw(c614.41,3738.05) 732.71,3738.05 ccw(c614.41,3738.05) 614.41,3856.35 ccw(c614.41,3738.05)
  text "3.3V" at 4393.55,3151.99 h40 r270
  text "3.3V" at 3683.16,3141.73 h40 r270
  text "GND" at 4592.76,3138.5 h40 r270
  text "GND" at 3882.5,3131.28 h40 r270
  text "CLK" at 3775.37,3122.92 h40 r270
  text "DIO" at 3983.29,3103.06 h40 r270
  text "RX" at 4496.07,3097.24 h40 r270
  text "TX" at 4696.07,3095.57 h40 r270
  text "MS-002.21 [A] V1.0" at 6507.28,3072.48 h60
  text "5V" at 1199.38,2957.87 h40
  text "GND" at 1443.31,2957.87 h40
  text "3.3V" at 1698.64,2957.87 h40
  text "SWD" at 3527.72,2942.17 h40
  text "LED_3.3V" at 2159.54,2505.38 h40
  text "LED_RUN" at 3297.46,2505.14 h40
  text "C" at 3629.87,2167.47 h40
  text "AUX" at 974.48,610.9 h40
  text "AUDIO1" at 1367.17,609.68 h40
  text "AUDIO2" at 1775.1,606.2 h40
  text "TO_UPS" at 5623.95,589 h40
  text "TO_PC" at 4939.53,585.26 h40
  text "TO_UPS" at 6584.04,535.11 h40
  text "KEY_UR" at 3308.66,449.26 h40
  text "DET_UR" at 3832.37,449.26 h40
  text "PWR_UR" at 4250.67,449.26 h40
  text "POWER" at 498.63,442.07 h40
  text "LED1" at 2273.62,435.93 h40
  text "LED2" at 2593.01,435.93 h40
  text "LED3" at 2932.53,435.93 h40
Bottom Overlay:
  text "5V" at 2244.53,240.52 h40
  text "LED1" at 2422.21,240.98 h40
  text "5V" at 2575.57,240.52 h40
  text "LED2" at 2754.85,240.98 h40
  text "5V" at 2901.69,240.52 h40
  text "LED3" at 3083.53,240.98 h40
  text "UG" at 4007.97,241.18 h40
  text "24V" at 566.26,239.44 h40
  text "5V" at 3365.41,239.79 h40
  text "KEY" at 3697.35,239.79 h40
  text "IO" at 3835.68,240.06 h40
  text "OFF" at 4171.75,240.06 h40
  text "ON" at 4319.49,240.06 h40
  text "GND" at 3538.13,238.77 h40
  text "UG" at 4470.59,238.94 h40
  text "GND" at 719.47,237.77 h40
  text "U12V" at 4651.9,236.7 h40
  text "LED" at 3239.7,235.98 h40
Mechanical 1:
  lines w10: 7677.17,3937.01 cw(c7677.17,3740.16) 7874.02,3740.16 ; 7686.96,3937.01 196.85,3937.01 ccw(c196.85,3740.16) 0,3740.16 0,196.85 ccw(c196.85,196.85) 196.85,0 7677.17,0 ccw(c7677.17,196.85) 7874.02,196.85 7874.02,3746.14

## Text inside footprints (layer, text, board x,y; h text height)
P15: Top Overlay "5" at 6997.22,416.42 h40; Top Overlay "1" at 6402.22,416.42 h40; Top Overlay "6" at 6446.58,302 h40 r5; Top Overlay "9" at 6946.58,302 h40 r5